# KiCad board Adafruit nRF52840 Bluefruit Feather Express Rev D.kicad_pcb (continued)
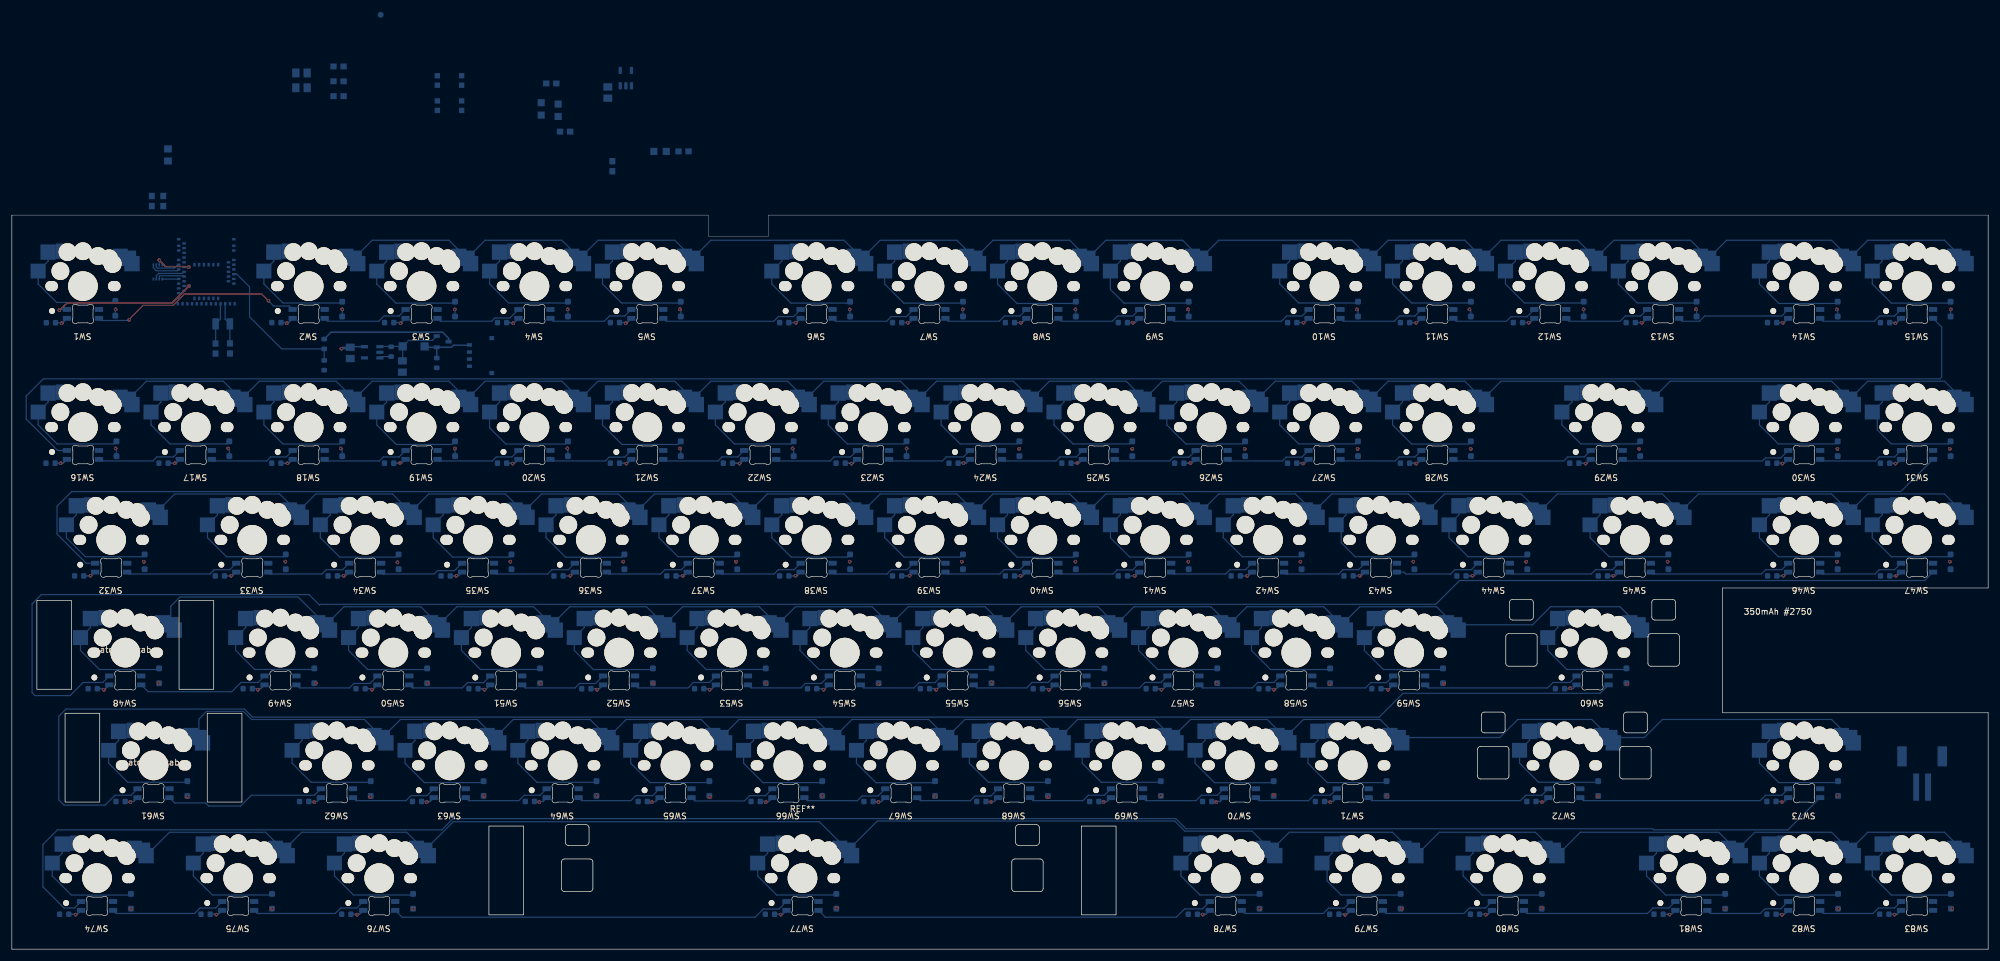
[diagram p0: board, top side]
## Nets
3.3V: C3.2 C4.2 C5.2 C8.2 C11.1 C12.1 C13.1 C14.1 C15.1 C16.1 C17.1 C18.1 C19.1 C20.1 C21.1 C22.1 C23.1 C24.1 C25.1 C26.1 C27.1 C28.1 C29.1 C30.1 C31.1 C32.1 C33.1 C34.1 C35.1 C36.1 C37.1 C38.1 C39.1 C40.1 C41.1 C42.1 C43.1 C44.1 C45.1 C46.1 C47.1 C48.1 C49.1 C50.1 C51.1 C52.1 C53.1 C54.1 C55.1 C56.1 C57.1 C58.1 C59.1 C60.1 C61.1 C62.1 C63.1 C64.1 C65.1 C66.1 C67.1 C68.1 C69.1 C70.1 C71.1 C72.1 C73.1 C74.1 C75.1 C76.1 C77.1 C78.1 C79.1 C80.1 C81.1 C82.1 C83.1 C84.1 C85.1 C86.1 C87.1 C88.1 C89.1 C90.1 C91.1 C92.1 C93.1 IC2.8 L1.1 MDBT1.28 MDBT1.30 SW1.4 SW2.4 SW3.4 SW4.4 SW5.4 SW6.4 SW7.4 SW8.4 SW9.4 SW10.4 SW11.4 SW12.4 SW13.4 SW14.4 SW15.4 SW16.4 SW17.4 SW18.4 SW19.4 SW20.4 SW21.4 SW22.4 SW23.4 SW24.4 SW25.4 SW26.4 SW27.4 SW28.4 SW29.4 SW30.4 SW31.4 SW32.4 SW33.4 SW34.4 SW35.4 SW36.4 SW37.4 SW38.4 SW39.4 SW40.4 SW41.4 SW42.4 SW43.4 SW44.4 SW45.4 SW46.4 SW47.4 SW48.4 SW49.4 SW50.4 SW51.4 SW52.4 SW53.4 SW54.4 SW55.4 SW56.4 SW57.4 SW58.4 SW59.4 SW60.4 SW61.4 SW62.4 SW63.4 SW64.4 SW65.4 SW66.4 SW67.4 SW68.4 SW69.4 SW70.4 SW71.4 SW72.4 SW73.4 SW74.4 SW75.4 SW76.4 SW77.4 SW78.4 SW79.4 SW80.4 SW81.4 SW82.4 SW83.4 U2.5
GND: C1.2 C2.2 C3.1 C4.1 C5.1 C6.1 C7.1 C8.1 C9.1 C10.1 C11.2 C12.2 C13.2 C14.2 C15.2 C16.2 C17.2 C18.2 C19.2 C20.2 C21.2 C22.2 C23.2 C24.2 C25.2 C26.2 C27.2 C28.2 C29.2 C30.2 C31.2 C32.2 C33.2 C34.2 C35.2 C36.2 C37.2 C38.2 C39.2 C40.2 C41.2 C42.2 C43.2 C44.2 C45.2 C46.2 C47.2 C48.2 C49.2 C50.2 C51.2 C52.2 C53.2 C54.2 C55.2 C56.2 C57.2 C58.2 C59.2 C60.2 C61.2 C62.2 C63.2 C64.2 C65.2 C66.2 C67.2 C68.2 C69.2 C70.2 C71.2 C72.2 C73.2 C74.2 C75.2 C76.2 C77.2 C78.2 C79.2 C80.2 C81.2 C82.2 C83.2 C84.2 C85.2 C86.2 C87.2 C88.2 C89.2 C90.2 C91.2 C92.2 C93.2 D102.C IC2.4 J1.4 J1.5 J1.6 MDBT1.1 MDBT1.2 MDBT1.15 MDBT1.33 MDBT1.55 R4.2 R5.2 R7.2 R9.2 SW1.6 SW2.6 SW3.6 SW4.6 SW5.6 SW6.6 SW7.6 SW8.6 SW9.6 SW10.6 SW11.6 SW12.6 SW13.6 SW14.6 SW15.6 SW16.6 SW17.6 SW18.6 SW19.6 SW20.6 SW21.6 SW22.6 SW23.6 SW24.6 SW25.6 SW26.6 SW27.6 SW28.6 SW29.6 SW30.6 SW31.6 SW32.6 SW33.6 SW34.6 SW35.6 SW36.6 SW37.6 SW38.6 SW39.6 SW40.6 SW41.6 SW42.6 SW43.6 SW44.6 SW45.6 SW46.6 SW47.6 SW48.6 SW49.6 SW50.6 SW51.6 SW52.6 SW53.6 SW54.6 SW55.6 SW56.6 SW57.6 SW58.6 SW59.6 SW60.6 SW61.6 SW62.6 SW63.6 SW64.6 SW65.6 SW66.6 SW67.6 SW68.6 SW69.6 SW70.6 SW71.6 SW72.6 SW73.6 SW74.6 SW75.6 SW76.6 SW77.6 SW78.6 SW79.6 SW80.6 SW81.6 SW82.6 SW83.6 SW101.A SW101.A' SW102.A SW102.A' U2.2 U3.2 X3.1
VBAT: C9.2 Q3.3 R12.1 U3.3 X3.2
VBUS: C6.2 D101.A D103.A J1.1 MDBT1.32 Q3.1 R7.1 U3.4
/A0: MDBT1.20
/A1: MDBT1.21
/A2: MDBT1.14
/A3: MDBT1.13
/A4: MDBT1.11
/A5: MDBT1.9
/AREF: C10.2 MDBT1.12
/D2: MDBT1.54
/D5: MDBT1.25
/D6: MDBT1.23
/D9: MDBT1.19
/D10: MDBT1.16
/D11: MDBT1.22
/D12: MDBT1.24
/D13: MDBT1.26
/DCCH: L1.2 MDBT1.31
/EN: R8.2 U2.3
/LED1: MDBT1.8 R2.1
/LED2: D104.A MDBT1.3
/MISO: MDBT1.39
/MOSI: MDBT1.37
/NEOPIX: MDBT1.38 SW1.3
/QSPI_CS: IC2.1 MDBT1.44
/QSPI_DATA0: IC2.5 MDBT1.41
/QSPI_DATA1: IC2.2 MDBT1.46
/QSPI_DATA2: IC2.3 MDBT1.45
/QSPI_DATA3: IC2.7 MDBT1.43
/QSPI_SCK: IC2.6 MDBT1.42
/RESET: SW101.B SW101.B'
/RXD: MDBT1.48
/SCK: MDBT1.36
/SCL: MDBT1.27
/SDA: MDBT1.29
/SWITCH: MDBT1.50 SW102.B SW102.B'
/TXD: MDBT1.49
/USBD+: J1.3 R10.1
/USBD-: J1.2 R11.1
/VDIV: MDBT1.10 R9.1 R12.2
Net-(D1-A): D1.2 SW1.2
Net-(D1-K): D1.1 D16.1 D32.1 D48.1 D61.1 D74.1
Net-(D2-A): D2.2 SW2.2
Net-(D3-A): D3.2 SW3.2
Net-(D4-A): D4.2 SW4.2
Net-(D5-A): D5.2 SW5.2
Net-(D6-A): D6.2 SW6.2
Net-(D7-A): D7.2 SW7.2
Net-(D8-A): D8.2 SW8.2
Net-(D9-A): D9.2 SW9.2
Net-(D10-A): D10.2 SW10.2
Net-(D10-K): D10.1 D26.1 D42.1 D58.1 D71.1 D79.1
Net-(D11-A): D11.2 SW11.2
Net-(D11-K): D11.1 D27.1 D43.1 D59.1
Net-(D12-A): D12.2 SW12.2
Net-(D12-K): D12.1 D28.1 D44.1 D80.1
Net-(D13-A): D13.2 SW13.2
Net-(D13-K): D13.1 D29.1 D45.1 D60.1 D72.1 D81.1
Net-(D14-A): D14.2 SW14.2
Net-(D14-K): D14.1 D30.1 D46.1 D73.1 D82.1
Net-(D15-A): D15.2 SW15.2
Net-(D15-K): D15.1 D31.1 D47.1 D83.1
Net-(D16-A): D16.2 SW16.2
Net-(D17-A): D17.2 SW17.2
Net-(D17-K): D2.1 D17.1 D33.1 D49.1 D62.1 D75.1
Net-(D18-A): D18.2 SW18.2
Net-(D18-K): D3.1 D18.1 D34.1 D50.1 D63.1 D76.1
Net-(D19-A): D19.2 SW19.2
Net-(D19-K): D4.1 D19.1 D35.1 D51.1 D64.1
Net-(D20-A): D20.2 SW20.2
Net-(D20-K): D5.1 D20.1 D36.1 D52.1 D65.1
Net-(D21-A): D21.2 SW21.2
Net-(D21-K): D21.1 D37.1 D53.1 D66.1 D77.1
Net-(D22-A): D22.2 SW22.2
Net-(D22-K): D6.1 D22.1 D38.1 D54.1 D67.1
Net-(D23-A): D23.2 SW23.2
Net-(D23-K): D7.1 D23.1 D39.1 D55.1 D68.1
Net-(D24-A): D24.2 SW24.2
Net-(D24-K): D8.1 D24.1 D40.1 D56.1 D69.1
Net-(D25-A): D25.2 SW25.2
Net-(D25-K): D9.1 D25.1 D41.1 D57.1 D70.1 D78.1
Net-(D26-A): D26.2 SW26.2
Net-(D27-A): D27.2 SW27.2
Net-(D28-A): D28.2 SW28.2
Net-(D29-A): D29.2 SW29.2
Net-(D30-A): D30.2 SW30.2
Net-(D31-A): D31.2 SW31.2
Net-(D32-A): D32.2 SW32.2
Net-(D33-A): D33.2 SW33.2
Net-(D34-A): D34.2 SW34.2
Net-(D35-A): D35.2 SW35.2
Net-(D36-A): D36.2 SW36.2
Net-(D37-A): D37.2 SW37.2
Net-(D38-A): D38.2 SW38.2
Net-(D39-A): D39.2 SW39.2
Net-(D40-A): D40.2 SW40.2
Net-(D41-A): D41.2 SW41.2
Net-(D42-A): D42.2 SW42.2
Net-(D43-A): D43.2 SW43.2
Net-(D44-A): D44.2 SW44.2
Net-(D45-A): D45.2 SW45.2
Net-(D46-A): D46.2 SW46.2
Net-(D47-A): D47.2 SW47.2
Net-(D48-A): D48.2 SW48.2
Net-(D49-A): D49.2 SW49.2
Net-(D50-A): D50.2 SW50.2
Net-(D51-A): D51.2 SW51.2
Net-(D52-A): D52.2 SW52.2
Net-(D53-A): D53.2 SW53.2
Net-(D54-A): D54.2 SW54.2
Net-(D55-A): D55.2 SW55.2
Net-(D56-A): D56.2 SW56.2
Net-(D57-A): D57.2 SW57.2
Net-(D58-A): D58.2 SW58.2
Net-(D59-A): D59.2 SW59.2
Net-(D60-A): D60.2 SW60.2
Net-(D61-A): D61.2 SW61.2
Net-(D62-A): D62.2 SW62.2
Net-(D63-A): D63.2 SW63.2
Net-(D64-A): D64.2 SW64.2
Net-(D65-A): D65.2 SW65.2
Net-(D66-A): D66.2 SW66.2
Net-(D67-A): D67.2 SW67.2
Net-(D68-A): D68.2 SW68.2
Net-(D69-A): D69.2 SW69.2
Net-(D70-A): D70.2 SW70.2
Net-(D71-A): D71.2 SW71.2
Net-(D72-A): D72.2 SW72.2
Net-(D73-A): D73.2 SW73.2
Net-(D74-A): D74.2 SW74.2
Net-(D75-A): D75.2 SW75.2
Net-(D76-A): D76.2 SW76.2
Net-(D77-A): D77.2 SW77.2
Net-(D78-A): D78.2 SW78.2
Net-(D79-A): D79.2 SW79.2
Net-(D80-A): D80.2 SW80.2
Net-(D81-A): D81.2 SW81.2
Net-(D82-A): D82.2 SW82.2
Net-(D83-A): D83.2 SW83.2
Net-(D102-PadA): D102.A R2.2
Net-(D103-PadC): D103.C R3.1
Net-(D104-PadC): D104.C R5.1
Net-(MDBT1-D+): MDBT1.35 R10.2
Net-(MDBT1-D-): MDBT1.34 R11.2
Net-(MDBT1-P0.00/XL1): C1.1 MDBT1.17 Y2.P$1
Net-(MDBT1-P0.01/XL2): C2.1 MDBT1.18 Y2.P$2
Net-(MDBT1-P0.09/NFC1): MDBT1.52 TP1.TP
Net-(Q3-S): C7.2 D101.C Q3.2 R8.1 U2.1
Net-(SW1-Pad1): SW1.1 SW2.1 SW3.1 SW4.1 SW5.1 SW6.1 SW7.1 SW8.1 SW9.1 SW10.1 SW11.1 SW12.1 SW13.1 SW14.1 SW15.1
Net-(SW1B-DO): SW1.5 SW2.3
Net-(SW2B-DO): SW2.5 SW3.3
Net-(SW3B-DO): SW3.5 SW4.3
Net-(SW4B-DO): SW4.5 SW5.3
Net-(SW5B-DO): SW5.5 SW6.3
Net-(SW6B-DO): SW6.5 SW7.3
Net-(SW7B-DO): SW7.5 SW8.3
Net-(SW8B-DO): SW8.5 SW9.3
Net-(SW10B-DI): SW9.5 SW10.3
Net-(SW10B-DO): SW10.5 SW11.3
Net-(SW11B-DO): SW11.5 SW12.3
Net-(SW12B-DO): SW12.5 SW13.3
Net-(SW13B-DO): SW13.5 SW14.3
Net-(SW14B-DO): SW14.5 SW15.3
Net-(SW15B-DO): SW15.5 SW16.3
Net-(SW16-Pad1): SW16.1 SW17.1 SW18.1 SW19.1 SW20.1 SW21.1 SW22.1 SW23.1 SW24.1 SW25.1 SW26.1 SW27.1 SW28.1 SW29.1 SW30.1 SW31.1
Net-(SW16B-DO): SW16.5 SW17.3
Net-(SW17B-DO): SW17.5 SW18.3
Net-(SW18B-DO): SW18.5 SW19.3
Net-(SW19B-DO): SW19.5 SW20.3
Net-(SW20B-DO): SW20.5 SW21.3
Net-(SW21B-DO): SW21.5 SW22.3
Net-(SW22B-DO): SW22.5 SW23.3
Net-(SW23B-DO): SW23.5 SW24.3
Net-(SW24B-DO): SW24.5 SW25.3
Net-(SW25B-DO): SW25.5 SW26.3
Net-(SW26B-DO): SW26.5 SW27.3
Net-(SW27B-DO): SW27.5 SW28.3
Net-(SW28B-DO): SW28.5 SW29.3
Net-(SW29B-DO): SW29.5 SW30.3
Net-(SW30B-DO): SW30.5 SW31.3
Net-(SW31B-DO): SW31.5 SW32.3
Net-(SW32-Pad1): SW32.1 SW33.1 SW34.1 SW35.1 SW36.1 SW37.1 SW38.1 SW39.1 SW40.1 SW41.1 SW42.1 SW43.1 SW44.1 SW45.1 SW46.1 SW47.1
Net-(SW32B-DO): SW32.5 SW33.3
Net-(SW33B-DO): SW33.5 SW34.3
Net-(SW34B-DO): SW34.5 SW35.3
Net-(SW35B-DO): SW35.5 SW36.3
Net-(SW36B-DO): SW36.5 SW37.3
Net-(SW37B-DO): SW37.5 SW38.3
Net-(SW38B-DO): SW38.5 SW39.3
Net-(SW39B-DO): SW39.5 SW40.3
Net-(SW40B-DO): SW40.5 SW41.3
Net-(SW41B-DO): SW41.5 SW42.3
Net-(SW42B-DO): SW42.5 SW43.3
Net-(SW43B-DO): SW43.5 SW44.3
Net-(SW44B-DO): SW44.5 SW45.3
Net-(SW45B-DO): SW45.5 SW46.3
Net-(SW46B-DO): SW46.5 SW47.3
Net-(SW47B-DO): SW47.5 SW48.3
Net-(SW48-Pad1): SW48.1 SW49.1 SW50.1 SW51.1 SW52.1 SW53.1 SW54.1 SW55.1 SW56.1 SW57.1 SW58.1 SW59.1 SW60.1
Net-(SW48B-DO): SW48.5 SW49.3
Net-(SW49B-DO): SW49.5 SW50.3
Net-(SW50B-DO): SW50.5 SW51.3
Net-(SW51B-DO): SW51.5 SW52.3
Net-(SW52B-DO): SW52.5 SW53.3
Net-(SW53B-DO): SW53.5 SW54.3
Net-(SW54B-DO): SW54.5 SW55.3
Net-(SW55B-DO): SW55.5 SW56.3
Net-(SW56B-DO): SW56.5 SW57.3
Net-(SW57B-DO): SW57.5 SW58.3
Net-(SW58B-DO): SW58.5 SW59.3
Net-(SW59B-DO): SW59.5 SW60.3
Net-(SW60B-DO): SW60.5 SW61.3
Net-(SW61-Pad1): SW61.1 SW62.1 SW63.1 SW64.1 SW65.1 SW66.1 SW67.1 SW68.1 SW69.1 SW70.1 SW71.1 SW72.1 SW73.1
Net-(SW61B-DO): SW61.5 SW62.3
Net-(SW62B-DO): SW62.5 SW63.3
Net-(SW63B-DO): SW63.5 SW64.3
Net-(SW64B-DO): SW64.5 SW65.3
Net-(SW65B-DO): SW65.5 SW66.3
Net-(SW66B-DO): SW66.5 SW67.3
Net-(SW67B-DO): SW67.5 SW68.3
Net-(SW68B-DO): SW68.5 SW69.3
Net-(SW69B-DO): SW69.5 SW70.3
Net-(SW70B-DO): SW70.5 SW71.3
Net-(SW71B-DO): SW71.5 SW72.3
Net-(SW72B-DO): SW72.5 SW73.3
Net-(SW73B-DO): SW73.5 SW74.3
Net-(SW74-Pad1): SW74.1 SW75.1 SW76.1 SW77.1 SW78.1 SW79.1 SW80.1 SW81.1 SW82.1 SW83.1
Net-(SW74B-DO): SW74.5 SW75.3
Net-(SW75B-DO): SW75.5 SW76.3
Net-(SW76B-DO): SW76.5 SW77.3
Net-(SW77B-DO): SW77.5 SW78.3
Net-(SW78B-DO): SW78.5 SW79.3
Net-(SW79B-DO): SW79.5 SW80.3
Net-(SW80B-DO): SW80.5 SW81.3
Net-(SW81B-DO): SW81.5 SW82.3
Net-(SW82B-DO): SW82.5 SW83.3
Net-(U3-PROG): R4.1 U3.5
Net-(U3-STAT): R3.2 U3.1

Pads without a net: MDBT1 4 5 6 7 40 47 51 53 56 57 58 59 60 61; SW83 5; U2 4; X3 NC1 NC2

## Via types
v1: diameter 0.6, hole 0.3, Top to Bottom, 173 vias

## Routing (per net, layer and track width the routed paths; a pad name or vN(x,y) marks a point on that pad's centre or on a via; arc(x,y) is an arc through that point)
3.3V: length 200.2
  Bottom w0.254: SW80.4 249.16,5.9 248.83,5.9 v1(248.77,5.84) 248.7,5.9 C90.1 ; C84.1 10.7,5.9 v1(10.77,5.84) 10.84,5.9 11.03,5.9 SW74.4 ; 212.04,44 212.85,44 v1(213.02,43.84) 213.19,44 213.44,44 SW58.4 ; SW49.4 41.99,44 41.69,44 v1(41.52,43.84) 41.35,44 C59.1 ; SW34.4 56.28,63.05 56.05,63.05 v1(56.02,63.09) 55.99,63.05 C44.1 ; SW6.4 132.41,105.85 132.33,105.85 v1(132.32,105.84) 132.3,105.85 C16.1 ; C79.1 184.15,24.95 v1(184.27,24.84) 184.38,24.95 184.87,24.95 SW69.4 ; C54.1 246.49,63.05 v1(246.52,63.09) 246.55,63.05 246.78,63.05 SW44.4 ; SW41.4 189.63,63.05 189.55,63.05 v1(189.52,63.09) 189.48,63.05 C51.1 ; SW66.4 127.72,24.95 127.38,24.95 v1(127.27,24.84) 127.15,24.95 C76.1 ; C83.1 298.65,24.95 v1(298.77,24.84) 298.88,24.95 299.17,24.95 SW73.4 ; C35.1 179.78,82.1 v1(179.82,82.14) 179.85,82.1 180.1,82.1 SW25.4 ; C63.1 117.6,44 v1(117.77,43.84) 117.94,44 118.19,44 SW53.4 ; 9.3,106.56 8.56,105.83 8.51,105.83 v1(8.42,105.74) 8.33,105.83 C11.1 ; SW3.4 65.74,105.85 65.73,105.85 v1(65.62,105.74) 65.5,105.85 C13.1 ; SW72.4 258.68,24.95 258.38,24.95 v1(258.27,24.84) 258.15,24.95 C82.1 ; C8.2 55.87,101.69 v1(55.62,101.44) 56.87,101.44 57.22,101.79 U2.5 ; SW50.4 61.04,44 60.94,44 v1(60.77,43.84) 60.6,44 59.64,44 ; 85.5,82.75 84.85,82.1 84.59,82.1 v1(84.52,82.04) 84.45,82.1 C30.1 ; SW18.4 46.75,82.1 46.54,82.1 v1(46.52,82.09) 46.5,82.1 C28.1 ; 104.55,82.75 103.9,82.1 103.78,82.1 v1(103.72,82.04) 103.65,82.1 C31.1 ; SW48.4 15.8,44 15.69,44 v1(15.52,43.84) 15.35,44 C58.1 ; SW43.4 227.73,63.05 227.55,63.05 v1(227.52,63.09) 227.49,63.05 C53.1 ; C66.1 174.85,44 v1(175.02,43.84) 175.19,44 175.34,44 SW56.4 ; SW7.4 151.46,105.85 151.23,105.85 v1(151.22,105.84) 151.2,105.85 C17.1 ; C65.1 155.85,44 v1(156.02,43.84) 156.19,44 156.29,44 SW55.4 ; SW67.4 146.77,24.95 146.38,24.95 v1(146.27,24.84) 146.15,24.95 C77.1 ; C91.1 279.7,5.9 v1(279.77,5.84) 279.83,5.9 280.12,5.9 SW81.4 ; C25.1 317.8,105.85 v1(317.92,105.74) 318.03,105.85 318.15,105.85 SW15.4 ; C56.1 298.99,63.05 v1(299.02,63.09) 299.05,63.05 299.17,63.05 SW46.4 ; SW38.4 132.48,63.05 132.3,63.05 v1(132.27,63.09) 132.23,63.05 C48.1 ; C23.1 275.1,105.85 v1(275.12,105.84) 275.13,105.85 275.29,105.85 SW13.4 ; SW40.4 170.58,63.05 170.3,63.05 v1(170.27,63.09) 170.23,63.05 C50.1 ; SW27.4 218.2,82.1 217.99,82.1 v1(217.92,82.04) 217.85,82.1 C37.1 ; 85.5,106.56 84.79,105.85 84.73,105.85 v1(84.62,105.74) 84.5,105.85 C14.1 ; SW47.4 318.22,63.05 318.05,63.05 v1(318.02,63.09) 317.99,63.05 C57.1 ; C24.1 298.9,105.85 v1(298.92,105.84) 298.93,105.85 299.1,105.85 SW14.4 ; SW79.4 225.35,5.9 225.08,5.9 v1(225.02,5.84) 224.95,5.9 C89.1 ; C26.1 8.25,82.1 v1(8.27,82.09) 8.29,82.1 8.65,82.1 9.3,82.75 ; SW39.4 151.56,63.09 v1(151.52,63.09) 151.52,63.04 151.53,63.05 C49.1 ; SW45.4 270.59,63.05 270.3,63.05 v1(270.27,63.09) 270.24,63.05 C55.1 ; SW35.4 75.33,63.05 75.05,63.05 v1(75.02,63.09) 74.99,63.05 C45.1 ; C92.1 298.7,5.9 v1(298.77,5.84) 298.83,5.9 299.17,5.9 SW82.4 ; C18.1 170.3,105.85 v1(170.32,105.84) 170.33,105.85 170.51,105.85 SW8.4 ; SW52.4 99.14,44 98.94,44 v1(98.77,43.84) 98.6,44 C62.1 ; SW37.4 113.43,63.05 113.3,63.05 v1(113.27,63.09) 113.23,63.05 C47.1 ; SW19.4 65.8,82.1 65.55,82.1 v1(65.52,82.14) 65.49,82.1 C29.1 ; SW17.4 27.7,82.1 27.54,82.1 v1(27.52,82.09) 27.5,82.1 C27.1 ; C61.1 79.6,44 v1(79.77,43.84) 79.94,44 80.09,44 SW51.4 ; C46.1 94.23,63.05 v1(94.27,63.09) 94.3,63.05 94.38,63.05 SW36.4 ; C42.1 13.24,63.05 v1(13.27,63.09) 13.3,63.05 13.42,63.05 SW32.4 ; SW77.4 130.1,5.9 129.84,5.9 v1(129.77,5.84) 129.7,5.9 C87.1 ; SW42.4 208.68,63.05 208.55,63.05 v1(208.52,63.09) 208.48,63.05 C52.1 ; C12.1 46.3,105.85 v1(46.42,105.74) 46.53,105.85 46.69,105.85 SW2.4 ; SW59.4 232.49,44 232.44,44 v1(232.27,43.84) 232.1,44 231.09,44 ; C43.1 36.99,63.05 v1(37.02,63.09) 37.05,63.05 37.23,63.05 SW33.4 ; SW26.4 199.15,82.1 198.95,82.1 v1(198.92,82.14) 198.88,82.1 C36.1 ; SW78.4 201.53,5.9 201.09,5.9 v1(201.02,5.84) 200.95,5.9 C88.1 ; C80.1 203.15,24.95 v1(203.27,24.84) 203.38,24.95 203.92,24.95 SW70.4 ; SW28.4 237.25,82.1 237.08,82.1 v1(237.02,82.04) 236.95,82.1 C38.1 ; SW57.4 194.39,44 194.19,44 v1(194.02,43.84) 193.85,44 C67.1 ; SW31.4 318.22,82.1 317.99,82.1 v1(317.92,82.04) 317.85,82.1 C41.1 ; C86.1 58.2,5.9 v1(58.27,5.84) 58.34,5.9 58.66,5.9 SW76.4 ; C20.1 218,105.85 v1(218.02,105.84) 218.03,105.85 218.14,105.85 SW10.4 ; C19.1 189.2,105.85 v1(189.22,105.84) 189.23,105.85 189.56,105.85 SW9.4 ; SW71.4 222.97,24.95 222.63,24.95 v1(222.52,24.84) 222.4,24.95 C81.1 ; C32.1 122.75,82.1 v1(122.82,82.04) 122.88,82.1 122.95,82.1 SW22.4 ; C34.1 160.59,82.1 v1(160.62,82.14) 160.65,82.1 161.05,82.1 SW24.4 ; C74.1 88.9,24.95 v1(89.02,24.84) 89.13,24.95 89.62,24.95 SW64.4 ; SW62.4 51.52,24.95 51.13,24.95 v1(51.02,24.84) 50.9,24.95 C72.1 ; SW11.4 237.19,105.85 237.03,105.85 v1(237.02,105.84) 237,105.85 C21.1 ; SW61.4 20.56,24.95 20.14,24.95 v1(20.02,24.84) 19.9,24.95 C71.1 ; SW63.4 70.57,24.95 70.13,24.95 v1(70.02,24.84) 69.9,24.95 C73.1 ; SW68.4 165.82,24.95 165.38,24.95 v1(165.27,24.84) 165.15,24.95 C78.1 ; C33.1 141.65,82.1 v1(141.72,82.04) 141.78,82.1 142,82.1 SW23.4 ; SW12.4 256.24,105.85 256.03,105.85 v1(256.02,105.84) 256,105.85 C22.1 ; 104.55,106.56 103.84,105.85 103.73,105.85 v1(103.62,105.74) 103.5,105.85 C15.1 ; SW83.4 318.22,5.9 317.83,5.9 v1(317.77,5.84) 317.7,5.9 C93.1 ; 262.08,44 262.94,44 v1(263.02,44.09) 263.1,44 263.45,44 SW60.4 ; C40.1 298.75,82.1 v1(298.82,82.04) 298.88,82.1 299.17,82.1 SW30.4 ; C75.1 107.9,24.95 v1(108.02,24.84) 108.13,24.95 108.67,24.95 SW65.4 ; SW54.4 137.24,44 137.19,44 v1(137.02,43.84) 136.85,44 C64.1 ; C39.1 265.55,82.1 v1(265.62,82.04) 265.69,82.1 265.83,82.1 SW29.4 ; C85.1 34.45,5.9 v1(34.52,5.84) 34.59,5.9 34.85,5.9 SW75.4
GND:
  vias: v1(22.29,65.47) v1(46.16,65.47) v1(65.09,65.34) v1(84.14,65.47) v1(103.19,65.47) v1(122.24,65.47) v1(141.41,65.47) v1(160.34,65.47) v1(170.02,84.52) v1(179.51,65.47) v1(189.12,84.52) v1(198.56,65.47) v1(208.09,84.52) v1(217.49,65.47) v1(227.14,84.52) v1(236.54,65.47) v1(246.22,84.52) v1(255.59,65.47) v1(274.64,84.52) v1(279.46,65.47) v1(308.04,65.47) v1(308.12,84.52) v1(327.09,84.52) v1(327.09,65.47)
VBAT: length 22.5
  Bottom w0.254: R12.1 53.89,104.24 72.69,104.24 73.72,103.21 Q3.3
VBUS: length 9.6
  Bottom w0.254: D101.A 69.82,101.69 Q3.1 ; Q3.1 71.72,99.86 ; Q3.1 74.21,101.69 74.56,102.04 77.18,102.04 J1.1
/DCCH: length 0
/EN: length 2
  Bottom w0.2: R8.2 62.34,100.11 U2.3
/NEOPIX: length 25.8
  Top w0.2: v1(29.92,112.04) 27.04,109.16 9.34,109.16 v1(8.02,107.94)
  Bottom w0.2: 9.3,108.06 8.14,108.06 v1(8.02,107.94) ; MDBT1.38 v1(29.92,112.04)
/QSPI_CS: length 5.1
  Bottom w0.2: MDBT1.44 27.94,114.61 24.39,114.61 23.89,115.11 IC2.1
/QSPI_DATA0: length 2.8
  Bottom w0.2: MDBT1.41 28.14,113.21 IC2.5
/QSPI_DATA1: length 4.5
  Bottom w0.2: IC2.2 24.39,115.22 24.55,115.05 27.42,115.05 28,115.64 MDBT1.46
/QSPI_DATA2: length 7.1
  Top w0.2: v1(29.87,115.22) 29.77,115.32 25.96,115.32 v1(24.89,116.39)
  Bottom w0.2: v1(29.87,115.22) 29.08,115.22 MDBT1.45 ; v1(24.89,116.39) IC2.3
/QSPI_DATA3: length 5.5
  Bottom w0.2: MDBT1.43 28.8,114.16 24.78,114.16 24.39,113.77 IC2.7
/QSPI_SCK: length 4.7
  Bottom w0.2: MDBT1.42 28.94,113.76 24.95,113.76 24.89,113.7 IC2.6
/USBD+: length 0.6
  Bottom w0.2: 25.99,127.68 R10.1
/VDIV: length 25.4
  Bottom w0.2: R9.1 52.72,101.41 45.54,101.41 40.12,106.84 40.12,111.89 37.97,114.04 MDBT1.10
Net-(D1-A): length 20.6
  Bottom w0.2: SW1.2 6.12,116.24 4.44,114.55 4.44,112.37 7.55,109.26 11.2,109.26 11.32,109.14 12.87,109.14 13.02,109.28 17.23,109.28 D1.2
Net-(D1-K): length 2.5
  Bottom w0.2: D1.1 17.46,108.03 v1(17.52,108.09) ; v1(17.52,84.59) 17.65,84.45 D16.1
  vias: v1(20.12,6.84) v1(24.82,44.94) v1(29.62,25.74)
Net-(D2-A): length 20.7
  Bottom w0.2: SW2.2 44.23,116.24 SW2.2 42.54,112.37 45.75,109.16 55.53,109.16 D2.2
Net-(D3-A): length 20.7
  Bottom w0.2: D3.2 74.55,109.14 64.83,109.14 61.59,112.37 SW3.2 63.27,116.24 SW3.2
Net-(D4-A): length 20.7
  Bottom w0.2: SW4.2 82.33,116.24 80.64,114.55 80.64,112.37 83.85,109.16 93.63,109.16 D4.2
Net-(D5-A): length 20.7
  Bottom w0.2: SW5.2 101.38,116.24 SW5.2 99.69,112.37 102.9,109.16 112.68,109.16 D5.2
Net-(D6-A): length 20.7
  Bottom w0.2: SW6.2 129.95,116.24 SW6.2 128.26,112.37 131.5,109.14 141.23,109.14 D6.2
Net-(D7-A): length 20.7
  Bottom w0.2: SW7.2 149,116.24 SW7.2 147.31,112.37 150.55,109.14 160.28,109.14 D7.2
Net-(D8-A): length 20.8
  Bottom w0.2: SW8.2 168.05,116.24 SW8.2 166.37,112.37 169.66,109.08 179.27,109.08 D8.2
Net-(D9-A): length 21.3
  Bottom w0.2: SW9.2 187.1,116.24 SW9.2 185.41,111.43 187.71,109.14 198.38,109.14 D9.2
Net-(D10-A): length 20.7
  Bottom w0.2: D10.2 226.98,109.16 217.2,109.16 213.99,112.37 SW10.2 215.68,116.24 SW10.2
Net-(D10-K): length 1.3
  Bottom w0.2: D10.1 227.2,107.9 v1(227.02,108.09)
  vias: v1(222.42,44.84) v1(232.12,25.84) v1(234.62,6.84)
Net-(D11-A): length 20.7
  Bottom w0.2: D11.2 246.03,109.16 236.25,109.16 233.04,112.37 SW11.2 234.73,116.24 SW11.2
Net-(D11-K): length 1.3
  Bottom w0.2: v1(246.02,108.09) 246.25,107.85 D11.1
  vias: v1(241.72,44.84)
Net-(D12-A): length 20.7
  Bottom w0.2: SW12.2 253.77,116.24 SW12.2 252.09,112.37 255.3,109.16 265.08,109.16 D12.2
Net-(D12-K): length 1.2
  Bottom w0.2: D12.1 265.3,108.05 v1(265.27,108.09)
  vias: v1(258.22,6.94)
Net-(D13-A): length 20.7
  Bottom w0.2: D13.2 284.13,109.16 274.35,109.16 271.14,112.37 SW13.2 272.82,116.24 SW13.2
Net-(D13-K): length 1.2
  Bottom w0.2: v1(284.27,108.09) 284.35,108 D13.1
  vias: v1(267.72,25.84) v1(272.62,44.84) v1(289.12,6.84)
Net-(D14-A): length 20.8
  Bottom w0.2: D14.2 307.86,109.08 298.25,109.08 294.95,112.37 SW14.2 296.64,116.24 SW14.2
Net-(D14-K): length 1.3
  Bottom w0.2: D14.1 308.17,107.94 v1(308.02,108.09)
  vias: v1(308.12,25.94) v1(308.32,6.84)
Net-(D15-A): length 20.7
  Bottom w0.2: D15.2 326.97,109.14 317.24,109.14 314,112.37 SW15.2 315.69,116.24 SW15.2
Net-(D15-K): length 1.2
  Bottom w0.2: D15.1 327.22,108.04 v1(327.27,108.09)
  vias: v1(327.52,6.84)
Net-(D16-A): length 20.8
  Bottom w0.2: SW16.2 6.12,92.43 4.44,90.74 4.44,88.56 7.65,85.35 17.22,85.35 D16.2
Net-(D17-A): length 20.8
  Bottom w0.2: D17.2 36.27,85.35 26.7,85.35 23.49,88.56 SW17.2 25.18,92.43 SW17.2
Net-(D17-K): length 2.6
  Bottom w0.2: D17.1 36.7,84.4 v1(36.52,84.59) ; v1(55.77,108.09) 55.77,106.9 D2.1
  vias: v1(43.92,6.84) v1(51.32,44.94) v1(60.52,25.74)
Net-(D18-A): length 20.8
  Bottom w0.2: SW18.2 44.23,92.43 SW18.2 42.54,88.56 45.77,85.34 55.3,85.34 D18.2
Net-(D18-K): length 2.6
  Bottom w0.2: D3.1 74.8,108.05 v1(74.77,108.09) ; v1(55.52,84.59) 55.75,84.35 D18.1
  vias: v1(67.72,6.84) v1(70.22,44.94) v1(79.72,25.94)
Net-(D19-A): length 20.9
  Bottom w0.2: D19.2 74.29,85.27 64.88,85.27 61.59,88.56 SW19.2 63.27,92.43 SW19.2
Net-(D19-K): length 2.5
  Bottom w0.2: v1(74.77,84.59) 74.8,84.55 D19.1 ; v1(93.82,108.09) 93.85,108.05 D4.1
  vias: v1(89.22,44.94) v1(98.72,25.94)
Net-(D20-A): length 21.1
  Bottom w0.2: D20.2 93.4,85.34 83.38,85.34 80.64,88.08 80.64,90.74 82.33,92.43 SW20.2
Net-(D20-K): length 2.6
  Bottom w0.2: D5.1 112.9,107.95 v1(112.77,108.09) ; D20.1 93.85,84.5 v1(93.77,84.59)
  vias: v1(108.22,44.94) v1(117.82,25.74)
Net-(D21-A): length 20.9
  Bottom w0.2: SW21.2 101.38,92.43 SW21.2 99.69,88.56 102.98,85.27 112.39,85.27 D21.2
Net-(D21-K): length 1.4
  Bottom w0.2: v1(112.77,84.59) 112.9,84.45 D21.1
  vias: v1(127.32,44.94) v1(136.82,25.94) v1(139.22,6.94)
Net-(D22-A): length 20.8
  Bottom w0.2: SW22.2 120.42,92.43 118.74,90.74 118.74,88.56 121.95,85.35 131.52,85.35 D22.2
Net-(D22-K): length 2.6
  Bottom w0.2: v1(131.77,84.59) 131.95,84.4 D22.1 ; D6.1 141.48,108.02 v1(141.42,108.09)
  vias: v1(146.32,44.84) v1(155.82,25.84)
Net-(D23-A): length 20.8
  Bottom w0.2: SW23.2 139.47,92.43 SW23.2 137.79,88.56 141,85.35 150.57,85.35 D23.2
Net-(D23-K): length 2.5
  Bottom w0.2: D23.1 151,84.57 v1(151.02,84.59) ; D7.1 160.53,108.07 v1(160.52,108.09)
  vias: v1(165.42,45.04) v1(174.92,25.74)
Net-(D24-A): length 20.8
  Bottom w0.2: SW24.2 158.53,92.43 SW24.2 156.84,88.56 160.05,85.35 169.62,85.35 D24.2
Net-(D24-K): length 1.2
  Bottom w0.2: D8.1 179.58,108.02 v1(179.52,108.09)
  vias: v1(184.42,44.84) v1(193.92,25.94)
Net-(D25-A): length 20.8
  Bottom w0.2: SW25.2 177.57,92.43 SW25.2 175.89,88.56 179.1,85.35 188.67,85.35 D25.2
Net-(D25-K): length 1.2
  Bottom w0.2: v1(198.52,108.09) 198.63,107.97 D9.1
  vias: v1(203.32,44.94) v1(210.62,6.84) v1(213.02,26.04)
Net-(D26-A): length 20.8
  Bottom w0.2: SW26.2 196.62,92.43 SW26.2 194.94,88.56 198.15,85.35 207.72,85.35 D26.2
Net-(D27-A): length 20.8
  Bottom w0.2: D27.2 226.77,85.35 217.2,85.35 213.99,88.56 SW27.2 215.68,92.43 SW27.2
Net-(D28-A): length 20.8
  Bottom w0.2: D28.2 245.8,85.34 236.27,85.34 233.04,88.56 SW28.2 234.73,92.43 SW28.2
Net-(D29-A): length 20.8
  Bottom w0.2: D29.2 274.39,85.35 264.83,85.35 261.62,88.56 SW29.2 263.3,92.43 SW29.2
Net-(D30-A): length 20.8
  Bottom w0.2: SW30.2 296.64,92.43 SW30.2 294.95,88.56 298.16,85.35 307.73,85.35 D30.2
Net-(D31-A): length 20.8
  Bottom w0.2: SW31.2 315.69,92.43 SW31.2 314.86,89.88 314.86,87.7 317.21,85.35 326.78,85.35 D31.2
Net-(D32-A): length 20.8
  Bottom w0.2: SW32.2 10.89,73.38 SW32.2 9.2,69.51 12.41,66.3 22.03,66.3 D32.2
Net-(D33-A): length 20.8
  Bottom w0.2: D33.2 45.84,66.3 36.23,66.3 33.02,69.51 SW33.2 34.7,73.38 SW33.2
Net-(D34-A): length 20.8
  Bottom w0.2: D34.2 64.83,66.24 55.34,66.24 52.07,69.51 SW34.2 53.75,73.38 SW34.2
Net-(D35-A): length 20.8
  Bottom w0.2: SW35.2 72.8,73.38 SW35.2 71.12,69.51 74.39,66.24 83.88,66.24 D35.2
Net-(D36-A): length 20.9
  Bottom w0.2: SW36.2 91.85,73.38 SW36.2 90.16,69.51 93.46,66.22 102.91,66.22 D36.2
Net-(D37-A): length 20.8
  Bottom w0.2: D37.2 122.04,66.3 112.43,66.3 109.22,69.51 SW37.2 110.9,73.38 SW37.2
Net-(D38-A): length 20.8
  Bottom w0.2: D38.2 141.03,66.24 131.54,66.24 128.26,69.51 SW38.2 129.95,73.38 SW38.2
Net-(D39-A): length 20.8
  Bottom w0.2: SW39.2 149,73.38 SW39.2 147.31,69.51 150.59,66.24 160.08,66.24 D39.2
Net-(D40-A): length 20.9
  Bottom w0.2: D40.2 179.11,66.22 169.66,66.22 166.37,69.51 SW40.2 168.05,73.38 SW40.2
Net-(D41-A): length 20.8
  Bottom w0.2: D41.2 198.18,66.24 188.69,66.24 185.41,69.51 SW41.2 187.1,73.38 SW41.2
Net-(D42-A): length 20.8
  Bottom w0.2: D42.2 217.29,66.3 207.68,66.3 204.47,69.51 SW42.2 206.15,73.38 SW42.2
Net-(D43-A): length 20.8
  Bottom w0.2: SW43.2 225.2,73.38 SW43.2 224.37,70.83 224.37,68.65 226.73,66.3 236.34,66.3 D43.2
Net-(D44-A): length 20.8
  Bottom w0.2: SW44.2 244.25,73.38 SW44.2 242.56,69.51 245.78,66.3 255.39,66.3 D44.2
Net-(D45-A): length 20.8
  Bottom w0.2: SW45.2 268.06,73.38 SW45.2 266.38,69.51 269.59,66.3 279.21,66.3 D45.2
Net-(D46-A): length 20.8
  Bottom w0.2: D46.2 307.78,66.3 298.16,66.3 294.95,69.51 SW46.2 296.64,73.38 SW46.2
Net-(D47-A): length 20.8
  Bottom w0.2: D47.2 326.83,66.3 317.21,66.3 314,69.51 SW47.2 315.69,73.38 SW47.2
Net-(D48-A): length 20.8
  Bottom w0.2: D48.2 24.65,47.24 14.81,47.24 11.58,50.46 SW48.2 13.27,54.33 SW48.2
Net-(D49-A): length 20.8
  Bottom w0.2: SW49.2 39.46,54.33 SW49.2 37.78,50.46 40.99,47.25 50.86,47.25 D49.2
Net-(D50-A): length 20.8
  Bottom w0.2: SW50.2 58.51,54.33 SW50.2 56.83,50.46 60.05,47.24 69.9,47.24 D50.2
Net-(D51-A): length 20.8
  Bottom w0.2: SW51.2 77.56,54.33 SW51.2 75.88,50.46 79.09,47.25 88.96,47.25 D51.2
Net-(D52-A): length 20.8
  Bottom w0.2: D52.2 108,47.24 98.15,47.24 94.93,50.46 SW52.2 96.61,54.33 SW52.2
Net-(D53-A): length 20.8
  Bottom w0.2: D53.2 127.06,47.25 117.19,47.25 113.98,50.46 SW53.2 115.66,54.33 SW53.2
Net-(D54-A): length 20.8
  Bottom w0.2: SW54.2 134.71,54.33 SW54.2 133.03,50.46 136.25,47.24 146.1,47.24 D54.2
Net-(D55-A): length 20.8
  Bottom w0.2: D55.2 165.16,47.25 155.29,47.25 152.08,50.46 SW55.2 153.76,54.33 SW55.2
Net-(D56-A): length 20.8
  Bottom w0.2: D56.2 184.2,47.24 174.35,47.24 171.13,50.46 SW56.2 172.81,54.33 SW56.2
Net-(D57-A): length 20.8
  Bottom w0.2: D57.2 203.25,47.24 193.4,47.24 190.18,50.46 SW57.2 191.86,54.33 SW57.2
Net-(D58-A): length 20.8
  Bottom w0.2: SW58.2 210.91,54.33 SW58.2 209.23,50.46 212.45,47.24 222.3,47.24 D58.2
Net-(D59-A): length 20.8
  Bottom w0.2: SW59.2 229.96,54.33 SW59.2 228.28,50.46 231.5,47.24 241.35,47.24 D59.2
Net-(D60-A): length 20.8
  Bottom w0.2: D60.2 272.32,47.25 262.45,47.25 259.23,50.46 SW60.2 260.92,54.33 SW60.2
Net-(D61-A): length 20.8
  Bottom w0.2: D61.2 29.43,28.2 19.56,28.2 16.35,31.41 SW61.2 18.03,35.28 SW61.2
Net-(D62-A): length 20.8
  Bottom w0.2: D62.2 60.39,28.2 50.51,28.2 47.3,31.41 SW62.2 48.99,35.28 SW62.2
Net-(D63-A): length 20.8
  Bottom w0.2: D63.2 79.37,28.14 69.63,28.14 66.35,31.41 SW63.2 68.04,35.28 SW63.2
Net-(D64-A): length 20.8
  Bottom w0.2: D64.2 98.49,28.2 88.61,28.2 85.4,31.41 SW64.2 87.09,35.28 SW64.2
Net-(D65-A): length 20.8
  Bottom w0.2: SW65.2 106.14,35.28 SW65.2 104.45,31.41 107.73,28.14 117.47,28.14 D65.2
Net-(D66-A): length 20.8
  Bottom w0.2: D66.2 136.52,28.14 126.78,28.14 123.5,31.41 SW66.2 125.19,35.28 SW66.2
Net-(D67-A): length 20.8
  Bottom w0.2: D67.2 155.56,28.12 145.85,28.12 142.55,31.41 SW67.2 144.24,35.28 SW67.2
Net-(D68-A): length 20.8
  Bottom w0.2: SW68.2 163.29,35.28 SW68.2 161.6,31.41 164.81,28.2 174.69,28.2 D68.2
Net-(D69-A): length 20.8
  Bottom w0.2: SW69.2 182.34,35.28 SW69.2 180.65,31.41 183.86,28.2 193.74,28.2 D69.2
Net-(D70-A): length 20.8
  Bottom w0.2: D70.2 212.71,28.12 203,28.12 199.7,31.41 SW70.2 201.39,35.28 SW70.2
Net-(D71-A): length 20.8
  Bottom w0.2: D71.2 231.77,28.14 222.03,28.14 218.75,31.41 SW71.2 220.44,35.28 SW71.2
Net-(D72-A): length 20.8
  Bottom w0.2: SW72.2 256.16,35.28 SW72.2 254.47,31.41 257.68,28.2 267.56,28.2 D72.2
Net-(D73-A): length 20.8
  Bottom w0.2: SW73.2 296.64,35.28 SW73.2 294.95,31.41 298.23,28.14 307.97,28.14 D73.2
Net-(D74-A): length 20.8
  Bottom w0.2: D74.2 19.89,9.14 10.05,9.14 6.82,12.36 SW74.2 8.51,16.23 SW74.2
Net-(D75-A): length 20.8
  Bottom w0.2: D75.2 43.72,9.15 33.85,9.15 30.63,12.36 SW75.2 32.32,16.23 SW75.2
Net-(D76-A): length 20.8
  Bottom w0.2: D76.2 67.53,9.15 57.66,9.15 54.45,12.36 SW76.2 56.13,16.23 SW76.2
Net-(D77-A): length 20.8
  Bottom w0.2: D77.2 138.97,9.15 129.1,9.15 125.88,12.36 SW77.2 127.57,16.23 SW77.2
Net-(D78-A): length 20.8
  Bottom w0.2: SW78.2 199.01,16.23 SW78.2 197.32,12.36 200.53,9.15 210.41,9.15 D78.2
Net-(D79-A): length 20.8
  Bottom w0.2: D79.2 234.22,9.15 224.35,9.15 221.99,11.5 221.99,13.68 SW79.2 222.82,16.23 SW79.2
Net-(D80-A): length 20.8
  Bottom w0.2: SW80.2 246.63,16.23 SW80.2 244.95,12.36 248.17,9.14 258.02,9.14 D80.2
Net-(D81-A): length 20.8
  Bottom w0.2: D81.2 288.99,9.15 279.11,9.15 275.9,12.36 SW81.2 277.59,16.23 SW81.2
Net-(D82-A): length 20.8
  Bottom w0.2: SW82.2 296.64,16.23 SW82.2 294.95,12.36 298.18,9.14 308.02,9.14 D82.2
Net-(D83-A): length 20.8
  Bottom w0.2: D83.2 327.07,9.14 317.23,9.14 314,12.36 SW83.2 315.69,16.23 SW83.2
Net-(MDBT1-P0.00/XL1): length 7
  Bottom w0.2: 36.8,102.36 Y2.P$1 36,106.43 36,109.05
Net-(MDBT1-P0.01/XL2): length 7
  Bottom w0.2: 34.4,102.34 Y2.P$2 35.2,106.44 35.2,109.05
Net-(Q3-S): length 12.9
  Bottom w0.2: D101.C 64.02,101.84 ; D101.C 66.97,102.84 70.96,102.84 70.97,102.84 Q3.2 ; D101.C 65.97,99.44 C7.2 ; 64.02,101.84 64.02,101.76 ; 64.02,101.84 62.17,101.84 U2.1
Net-(SW1-Pad1): length 304.3
  Bottom w0.2: SW15.1 326.19,119.76 313.24,119.76 SW14.1 307.14,119.76 289.43,119.76 SW13.1 283.32,119.76 270.38,119.76 SW12.1 264.27,119.76 251.32,119.76 SW11.1 245.23,119.76 232.27,119.76 SW10.1 226.18,119.76 203.7,119.76 SW9.1 197.6,119.76 184.65,119.76 SW8.1 178.55,119.76 165.6,119.76 162.55,116.71 159.5,119.76 146.55,119.76 SW6.1 140.45,119.76 117.97,119.76 SW5.1 111.88,119.76 98.92,119.76 SW4.1 92.82,119.76 79.88,119.76 SW3.1 73.78,119.76 60.83,119.76 SW2.1
Net-(SW1B-DO): length 36
  Top w0.2: v1(43.32,109.54) 42.22,110.64 29.09,110.64 27.21,108.76 22.15,108.76 19.82,106.43 v1(19.82,106.34) 19.72,106.34 19.82,106.43
  Bottom w0.2: SW2.3 46.81,108.66 44.2,108.66 v1(43.32,109.54) ; SW1.5 15.05,106.21 19.69,106.21 v1(19.82,106.34)
Net-(SW2B-DO): length 14.7
  Bottom w0.2: SW2.5 53.28,106.08 61.92,106.08 62.81,106.97 65.35,106.97 SW3.3
Net-(SW3B-DO): length 14.7
  Bottom w0.2: 85.5,108.06 84.07,106.63 81.52,106.63 80.97,106.08 72.33,106.08 SW3.5
